# Altium PCB RV901-cnc-flipped.PcbDoc (part 1 of 4) (continued)
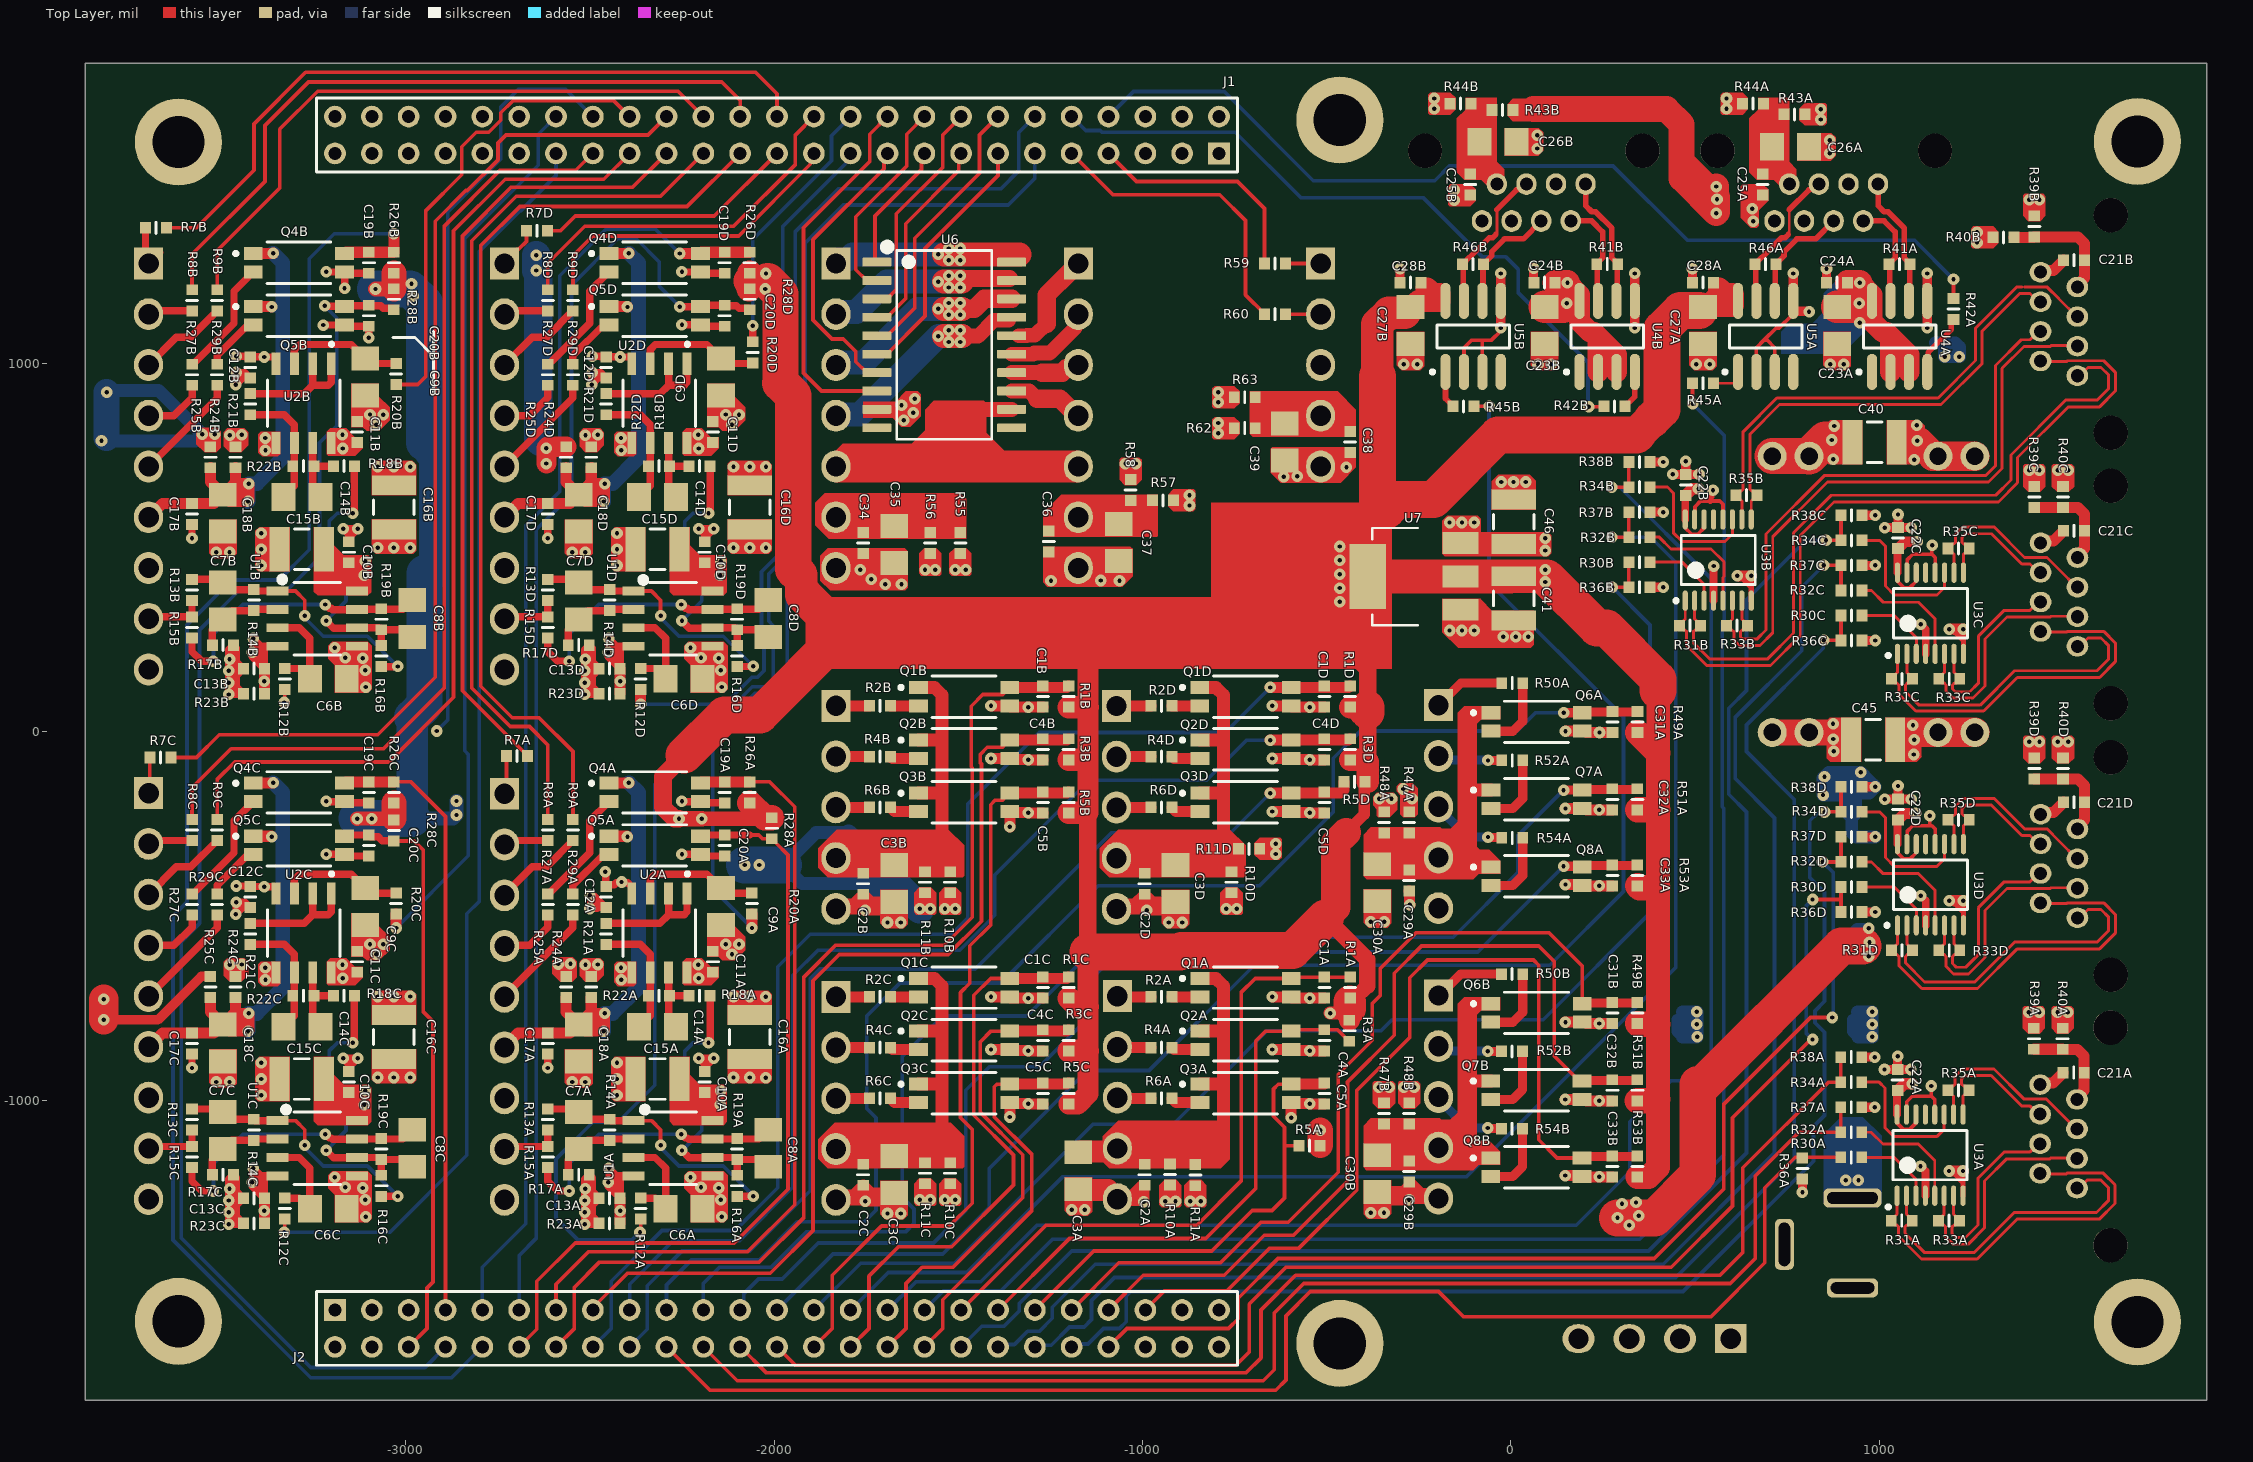
[diagram p0: Top Layer view]
## Design rules (kind name [scope] priority, off if disabled: settings) (continued)
24 further rules are at their usual default settings.

## Classes and differential pairs
component class GPI_2: C29B C30B C31B C32B C33B P5B Q6B Q7B Q8B R47B R48B R49B R50B R51B R52B R53B R54B
component class ENDSTOP_Z: C1D C2D C3D C4D C5D P3D Q1D Q2D Q3D R1D R2D R3D R4D R5D R6D R10D R11D
channel class Serial: SERIAL_1 SERIAL_2
channel class GPI: GPI_1 GPI_2
channel class Endstop: ENDSTOP_A ENDSTOP_X ENDSTOP_Y ENDSTOP_Z
channel class Encoder: ENC_A ENC_X ENC_Y ENC_Z
channel class Axis: AXIS_A AXIS_X AXIS_Y AXIS_Z
net class D100: RXDA_N RXDA_P RXDB_N RXDB_P TXDA_N TXDA_P TXDB_N TXDB_P
component class SERIAL_2: C23B C24B C25B C26B C27B C28B J4B R41B R42B R43B R44B R45B R46B U4B U5B
component class SERIAL_1: C23A C24A C25A C26A C27A C28A J4A R41A R42A R43A R44A R45A R46A U4A U5A
component class POWER: C40 C41 C42 C43 C44 C45 C46 MOD1 P1 P9 U7
component class GPO: C34 C35 C36 C37 C38 C39 P6 P7 P8 R55 R56 R57 R58 R59 R60 R62 R63 U6
component class GPI_1: C29A C30A C31A C32A C33A P5A Q6A Q7A Q8A R47A R48A R49A R50A R51A R52A R53A R54A
component class ENDSTOP_Y: C1C C2C C3C C4C C5C P3C Q1C Q2C Q3C R1C R2C R3C R4C R5C R6C R10C R11C
component class ENDSTOP_X: C1B C2B C3B C4B C5B P3B Q1B Q2B Q3B R1B R2B R3B R4B R5B R6B R10B R11B
component class ENDSTOP_A: C1A C2A C3A C4A C5A P3A Q1A Q2A Q3A R1A R2A R3A R4A R5A R6A R10A R11A
component class ENC_X: C21B C22B J3B R30B R31B R32B R33B R34B R35B R36B R37B R38B R39B R40B U3B
component class ENC_Y: C21C C22C J3C R30C R31C R32C R33C R34C R35C R36C R37C R38C R39C R40C U3C
component class ENC_Z: C21D C22D J3D R30D R31D R32D R33D R34D R35D R36D R37D R38D R39D R40D U3D
component class ENC_A: C21A C22A J3A R30A R31A R32A R33A R34A R35A R36A R37A R38A R39A R40A U3A
component class AXIS_Y: C6C C7C C8C C9C C10C C11C C12C C13C C14C C15C C16C C17C C18C C19C C20C P4C Q4C Q5C R7C R8C R9C R12C R13C R14C R15C R16C R17C R18C R19C R20C R21C R22C R23C R24C R25C R26C R27C R28C R29C U1C U2C
component class AXIS_X: C6B C7B C8B C9B C10B C11B C12B C13B C14B C15B C16B C17B C18B C19B C20B P4B Q4B Q5B R7B R8B R9B R12B R13B R14B R15B R16B R17B R18B R19B R20B R21B R22B R23B R24B R25B R26B R27B R28B R29B U1B U2B
component class AXIS_A: C6A C7A C8A C9A C10A C11A C12A C13A C14A C15A C16A C17A C18A C19A C20A P4A Q4A Q5A R7A R8A R9A R12A R13A R14A R15A R16A R17A R18A R19A R20A R21A R22A R23A R24A R25A R26A R27A R28A R29A U1A U2A
component class AXIS_Z: C6D C7D C8D C9D C10D C11D C12D C13D C14D C15D C16D C17D C18D C19D C20D P4D Q4D Q5D R7D R8D R9D R12D R13D R14D R15D R16D R17D R18D R19D R20D R21D R22D R23D R24D R25D R26D R27D R28D R29D U1D U2D
component class RV901-cnc: J1 J2
differential pair ENC_3D: +ENC_3B_P -ENC_3B_N
differential pair ENC_3C: +ENC_3C_P -ENC_3C_N
differential pair ENC_3B: +ENC_3D_P -ENC_3D_N
differential pair ENC_3A: +ENC_3A_P -ENC_3A_N
differential pair ENC_2D: +ENC_2B_P -ENC_2B_N
differential pair ENC_2C: +ENC_2C_P -ENC_2C_N
differential pair ENC_2B: +ENC_2D_P -ENC_2D_N
differential pair ENC_2A: +ENC_2A_P -ENC_2A_N
differential pair ENC_1D: +ENC_1B_P -ENC_1B_N
differential pair ENC_1C: +ENC_1C_P -ENC_1C_N
differential pair ENC_1B: +ENC_1D_P -ENC_1D_N
differential pair ENC_1A: +ENC_1A_P -ENC_1A_N
differential pair TXDB: +TXDA_P -TXDA_N
differential pair TXDA: +TXDB_P -TXDB_N
differential pair RXDB: +RXDA_P -RXDA_N
differential pair RXDA: +RXDB_P -RXDB_N

## Components (designator, comment, footprint, x,y, rotation, side; value= is the part's Value field where it differs from the comment)
C1A "Ceramic X7R" C_0603_1608 -506.06,-694.82 r270 top value=100nF (schematic designator C1)
C1B "Ceramic X7R" C_0603_1608 -1270.09,95.18 r270 top value=100nF (schematic designator C1)
C1C "Ceramic X7R" C_0603_1608 -1270.09,-694.82 r270 top value=100nF (schematic designator C1)
C1D "Ceramic X7R" C_0603_1608 -506.09,95.18 r270 top value=100nF (schematic designator C1)
C2A "Ceramic X7R" C_0603_1608 -994.06,-1202.82 r270 top value=100nF (schematic designator C2)
C2B "Ceramic X7R" C_0603_1608 -1758.09,-412.82 r270 top value=100nF (schematic designator C2)
C2C "Ceramic X7R" C_0603_1608 -1758.09,-1202.82 r270 top value=100nF (schematic designator C2)
C2D "Ceramic X7R" C_0603_1608 -994.09,-412.82 r270 top value=100nF (schematic designator C2)
C3A "Ceramic X7R" C_1206_3216 -1174.06,-1192 r270 top value=10uF (schematic designator C3)
C3B "Ceramic X7R" C_1206_3216 -1674.09,-412 r270 top value=10uF (schematic designator C3)
C3C "Ceramic X7R" C_1206_3216 -1674.09,-1202 r270 top value=10uF (schematic designator C3)
C3D "Ceramic X7R" C_1206_3216 -910.09,-412 r270 top value=10uF (schematic designator C3)
C4A "Ceramic X7R" C_0603_1608 -506.06,-837.82 r270 top value=100nF (schematic designator C4)
C4B "Ceramic X7R" C_0603_1608 -1270.09,-47.82 r270 top value=100nF (schematic designator C4)
C4C "Ceramic X7R" C_0603_1608 -1270.09,-837.82 r270 top value=100nF (schematic designator C4)
C4D "Ceramic X7R" C_0603_1608 -506.09,-47.82 r270 top value=100nF (schematic designator C4)
C5A "Ceramic X7R" C_0603_1608 -506.06,-981.82 r270 top value=100nF (schematic designator C5)
C5B "Ceramic X7R" C_0603_1608 -1270.09,-191.82 r270 top value=100nF (schematic designator C5)
C5C "Ceramic X7R" C_0603_1608 -1270.09,-981.82 r270 top value=100nF (schematic designator C5)
C5D "Ceramic X7R" C_0603_1608 -506.09,-191.82 r270 top value=100nF (schematic designator C5)
C6A "Film Capacitor" C_1206_3216 -2244.31,-1294.82 r0 top value=15nF (schematic designator C6)
C6B "Film Capacitor" C_1206_3216 -3210.28,143.18 r0 top value=15nF (schematic designator C6)
C6C "Film Capacitor" C_1206_3216 -3210.28,-1294.82 r0 top value=15nF (schematic designator C6)
C6D "Film Capacitor" C_1206_3216 -2244.31,143.18 r0 top value=15nF (schematic designator C6)
C7A "Film Capacitor" C_1206_3216 -2530.31,-1082.82 r270 top value=15nF (schematic designator C7)
C7B "Film Capacitor" C_1206_3216 -3496.28,355.18 r270 top value=15nF (schematic designator C7)
C7C "Film Capacitor" C_1206_3216 -3496.28,-1082.82 r270 top value=15nF (schematic designator C7)
C7D "Film Capacitor" C_1206_3216 -2530.31,355.18 r270 top value=15nF (schematic designator C7)
C8A "Film Capacitor" C_1206_3216 -2016.31,-1130.82 r270 top value=15nF (schematic designator C8)
C8B "Film Capacitor" C_1206_3216 -2982.28,307.18 r270 top value=15nF (schematic designator C8)
C8C "Film Capacitor" C_1206_3216 -2982.28,-1130.82 r270 top value=15nF (schematic designator C8)
C8D "Film Capacitor" C_1206_3216 -2016.31,307.18 r270 top value=15nF (schematic designator C8)
C9A "Film Capacitor" C_1206_3216 -2144.09,-475.02 r270 top value=15nF (schematic designator C9)
C9B "Film Capacitor" C_1206_3216 -3110.06,962.98 r270 top value=15nF (schematic designator C9)
C9C "Film Capacitor" C_1206_3216 -3110.06,-475.02 r270 top value=15nF (schematic designator C9)
C9D "Film Capacitor" C_1206_3216 -2144.09,962.98 r270 top value=15nF (schematic designator C9)
C10A "Ceramic X7R" C_0603_1608 -2188.31,-950.82 r90 top value=100nF (schematic designator C10)
C10B "Ceramic X7R" C_0603_1608 -3154.28,487.18 r90 top value=100nF (schematic designator C10)
C10C "Ceramic X7R" C_0603_1608 -3154.28,-950.82 r90 top value=100nF (schematic designator C10)
C10D "Ceramic X7R" C_0603_1608 -2188.31,487.18 r90 top value=100nF (schematic designator C10)
C11A "Ceramic X7R" C_0603_1608 -2166.09,-624.6 r90 top value=100nF (schematic designator C11)
C11B "Ceramic X7R" C_0603_1608 -3132.06,813.4 r90 top value=100nF (schematic designator C11)
C11C "Ceramic X7R" C_0603_1608 -3132.06,-624.6 r90 top value=100nF (schematic designator C11)
C11D "Ceramic X7R" C_0603_1608 -2166.09,813.4 r90 top value=100nF (schematic designator C11)
C12A "Ceramic X7R" C_0603_1608 -2456.09,-448.82 r270 top value=100nF (schematic designator C12)
C12B "Ceramic X7R" C_0603_1608 -3422.06,989.18 r270 top value=100nF (schematic designator C12)
C12C "Ceramic X7R" C_0603_1608 -3422.06,-448.82 r270 top value=100nF (schematic designator C12)
C12D "Ceramic X7R" C_0603_1608 -2456.09,989.18 r270 top value=100nF (schematic designator C12)
C13A "Ceramic X7R" C_0603_1608 -2446.31,-1266.82 r180 top value=100nF (schematic designator C13)
C13B "Ceramic X7R" C_0603_1608 -3412.28,171.18 r180 top value=100nF (schematic designator C13)
C13C "Ceramic X7R" C_0603_1608 -3412.28,-1266.82 r180 top value=100nF (schematic designator C13)
C13D "Ceramic X7R" C_0603_1608 -2446.31,171.18 r180 top value=100nF (schematic designator C13)
C14A "Film Capacitor" C_1206_3216 -2316.09,-800.82 r180 top value=15nF (schematic designator C14)
C14B "Film Capacitor" C_1206_3216 -3282.06,637.18 r180 top value=15nF (schematic designator C14)
C14C "Film Capacitor" C_1206_3216 -3282.06,-800.82 r180 top value=15nF (schematic designator C14)
C14D "Film Capacitor" C_1206_3216 -2316.09,637.18 r180 top value=15nF (schematic designator C14)
C15A "Ceramic X7R" C_1210_3225 -2316.31,-942.82 r180 top value=22uF (schematic designator C15)
C15B "Ceramic X7R" C_1210_3225 -3282.28,495.18 r180 top value=22uF (schematic designator C15)
C15C "Ceramic X7R" C_1210_3225 -3282.28,-942.82 r180 top value=22uF (schematic designator C15)
C15D "Ceramic X7R" C_1210_3225 -2316.31,495.18 r180 top value=22uF (schematic designator C15)
C16A "Ceramic X7R" C_1210_3225 -2066.09,-828.82 r270 top value=22uF (schematic designator C16)
C16B "Ceramic X7R" C_1210_3225 -3032.06,609.18 r270 top value=22uF (schematic designator C16)
C16C "Ceramic X7R" C_1210_3225 -3032.06,-828.82 r270 top value=22uF (schematic designator C16)
C16D "Ceramic X7R" C_1210_3225 -2066.09,609.18 r270 top value=22uF (schematic designator C16)
C17A "Ceramic X7R" C_0603_1608 -2614.31,-846.82 r270 top value=100nF (schematic designator C17)
C17B "Ceramic X7R" C_0603_1608 -3580.28,591.18 r270 top value=100nF (schematic designator C17)
C17C "Ceramic X7R" C_0603_1608 -3580.28,-846.82 r270 top value=100nF (schematic designator C17)
C17D "Ceramic X7R" C_0603_1608 -2614.31,591.18 r270 top value=100nF (schematic designator C17)
C18A "Ceramic X7R" C_1206_3216 -2530.31,-844.82 r270 top value=10uF (schematic designator C18)
C18B "Ceramic X7R" C_1206_3216 -3496.28,593.18 r270 top value=10uF (schematic designator C18)
C18C "Ceramic X7R" C_1206_3216 -3496.28,-844.82 r270 top value=10uF (schematic designator C18)
C18D "Ceramic X7R" C_1206_3216 -2530.31,593.18 r270 top value=10uF (schematic designator C18)
C19A "Ceramic X7R" C_0603_1608 -2134.09,-164.82 r270 top value=100nF (schematic designator C19)
C19B "Ceramic X7R" C_0603_1608 -3100.06,1273.18 r270 top value=100nF (schematic designator C19)
C19C "Ceramic X7R" C_0603_1608 -3100.06,-164.82 r270 top value=100nF (schematic designator C19)
C19D "Ceramic X7R" C_0603_1608 -2134.09,1273.18 r270 top value=100nF (schematic designator C19)
C20A "Ceramic X7R" C_0603_1608 -2134.09,-308.82 r270 top value=100nF (schematic designator C20)
C20B "Ceramic X7R" C_0603_1608 -3100.06,1129.18 r270 top value=100nF (schematic designator C20)
C20C "Ceramic X7R" C_0603_1608 -3100.06,-308.82 r270 top value=100nF (schematic designator C20)
C20D "Ceramic X7R" C_0603_1608 -2134.09,1129.18 r270 top value=100nF (schematic designator C20)
C21A "Ceramic X7R" C_0603_1608 1528.39,-925.5 r180 top value=100nF (schematic designator C21)
C21B "Ceramic X7R" C_0603_1608 1529.35,1280.13 r180 top value=100nF (schematic designator C21)
C21C "Ceramic X7R" C_0603_1608 1529.39,545.5 r180 top value=100nF (schematic designator C21)
C21D "Ceramic X7R" C_0603_1608 1529.39,-191.5 r180 top value=100nF (schematic designator C21)
C22A "Ceramic X7R" C_0603_1608 1050.39,-945.5 r90 top value=100nF (schematic designator C22)
C22B "Ceramic X7R" C_0603_1608 475.35,670.13 r90 top value=100nF (schematic designator C22)
C22C "Ceramic X7R" C_0603_1608 1051.39,525.5 r90 top value=100nF (schematic designator C22)
C22D "Ceramic X7R" C_0603_1608 1051.39,-211.5 r90 top value=100nF (schematic designator C22)
C23A "Ceramic X7R" C_1206_3216 885.91,1103.18 r270 top value=10uF (schematic designator C23)
C23B "Ceramic X7R" C_1206_3216 91.91,1103.18 r270 top value=10uF (schematic designator C23)
C24A "Ceramic X7R" C_0603_1608 885.91,1219.18 r180 top value=100nF (schematic designator C24)
C24B "Ceramic X7R" C_0603_1608 91.91,1219.18 r180 top value=100nF (schematic designator C24)
C25A "Ceramic X7R" C_0603_1608 683.91,1485.18 r270 top value=100nF (schematic designator C25)
C25B "Ceramic X7R" C_0603_1608 -110.09,1485.18 r270 top value=100nF (schematic designator C25)
C26A "Ceramic X7R" C_1206_3216 759.94,1588 r0 top value=10uF (schematic designator C26)
C26B "Ceramic X7R" C_1206_3216 -34.09,1601.18 r0 top value=10uF (schematic designator C26)
C27A "Ceramic X7R" C_1206_3216 521.91,1103.18 r270 top value=10uF (schematic designator C27)
C27B "Ceramic X7R" C_1206_3216 -272.09,1103.18 r270 top value=10uF (schematic designator C27)
C28A "Ceramic X7R" C_0603_1608 521.91,1219.18 r180 top value=100nF (schematic designator C28)
C28B "Ceramic X7R" C_0603_1608 -272.09,1219.18 r180 top value=100nF (schematic designator C28)
C29A "Ceramic X7R" C_0603_1608 -275.81,-404 r270 top value=100nF (schematic designator C29)
C29B "Ceramic X7R" C_0603_1608 -276.06,-1194 r270 top value=100nF (schematic designator C29)
C30A "Ceramic X7R" C_1206_3216 -361.81,-410 r270 top value=10uF (schematic designator C30)
C30B "Ceramic X7R" C_1206_3216 -362.06,-1200 r270 top value=10uF (schematic designator C30)
C31A "Ceramic X7R" C_0603_1608 276.19,26.46 r270 top value=100nF (schematic designator C31)
C31B "Ceramic X7R" C_0603_1608 275.94,-763.54 r270 top value=100nF (schematic designator C31)
C32A "Ceramic X7R" C_0603_1608 275.97,-183.54 r270 top value=100nF (schematic designator C32)
C32B "Ceramic X7R" C_0603_1608 275.72,-973.54 r270 top value=100nF (schematic designator C32)
C33A "Ceramic X7R" C_0603_1608 275.97,-390 r270 top value=100nF (schematic designator C33)
C33B "Ceramic X7R" C_0603_1608 275.72,-1180 r270 top value=100nF (schematic designator C33)
C34 "Ceramic X7R" C_0603_1608 -1758.06,512 r270 top value=100nF
C35 "Ceramic X7R" C_1206_3216 -1674.06,508 r270 top value=10uF
C36 "Ceramic X7R" C_0603_1608 -1254.06,516 r270 top value=100nF
C37 "Ceramic X7R" C_1206_3216 -1064.06,514 r270 top value=10uF
C38 "Ceramic X7R" C_0603_1608 -436.06,786.54 r270 top value=100nF
C39 "Ceramic X7R" C_1206_3216 -614.06,786 r270 top value=10uF
C40 "Ceramic X7R" C_1210_3225 987.94,786 r0 top value=22uF
C41 "Ceramic X7R" C_1210_3225 7.94,362 r270 top value=22uF
C42 "Electrolytic Capacitor" CE_D_10x10_SMD 925.94,-400 r90 bottom value=100uF
C43 "Electrolytic Capacitor" CE_D_10x10_SMD 925.94,-961 r90 bottom value=100uF
C44 "Electrolytic Capacitor" CE_D_10x10_SMD 984.94,1056 r0 bottom value=100uF
C45 "Ceramic X7R" C_1210_3225 983.94,-22 r0 top value=22uF
C46 "Ceramic X7R" C_1210_3225 7.94,570 r90 top value=22uF
J1 "Goldpin female straight" J_HEADER_2x25_2.54_VERTICAL -1992.06,1620.08 r180 top locked value=DS1023-2*25S21
J2 "Goldpin female straight" J_HEADER_2x25_2.54_VERTICAL -1992.06,-1620.08 r0 top locked value=DS1023-2*25S21
J3A "Modular Connector, Modular Jack, 1 x 1 (Port), 8P8C, Cat3" J_RJ45_MJ3225-88-0 1582.66,-1098.72 r270 bottom value=MJ3225-88-0 (schematic designator J3)
J3B "Modular Connector, Modular Jack, 1 x 1 (Port), 8P8C, Cat3" J_RJ45_MJ3225-88-0 1583.63,1106.91 r270 bottom value=MJ3225-88-0 (schematic designator J3)
J3C "Modular Connector, Modular Jack, 1 x 1 (Port), 8P8C, Cat3" J_RJ45_MJ3225-88-0 1583.66,372.28 r270 bottom value=MJ3225-88-0 (schematic designator J3)
J3D "Modular Connector, Modular Jack, 1 x 1 (Port), 8P8C, Cat3" J_RJ45_MJ3225-88-0 1583.66,-364.72 r270 bottom value=MJ3225-88-0 (schematic designator J3)
J4A "Modular Connector, Modular Jack, 1 x 1 (Port), 8P8C, Cat3" J_RJ45_MJ3225-88-0 856.63,1531.91 r0 bottom value=MJ3225-88-0 (schematic designator J4)
J4B "Modular Connector, Modular Jack, 1 x 1 (Port), 8P8C, Cat3" J_RJ45_MJ3225-88-0 62.63,1531.91 r0 bottom value=MJ3225-88-0 (schematic designator J4)
MOD1 "Low cost, Aliexpress-ready DC-DC buck converter using MP1584" MOD_BUCK_MP1584 984.94,373 r90 bottom value=-
P1 "DC JACK" P_KLDX-0202-A 927.94,-1510 r270 bottom value=KLDX-0202-A
P3A "5-pin 3.5mm terminal block" P_15EDGVC-3.5-05P -1068.06,-718 r270 bottom value=15EDGVC-3.5-05P-14 (schematic designator P3)
P3B "5-pin 3.5mm terminal block" P_15EDGVC-3.5-05P -1832.09,70.28 r270 bottom value=15EDGVC-3.5-05P-14 (schematic designator P3)
P3C "5-pin 3.5mm terminal block" P_15EDGVC-3.5-05P -1832.09,-719.72 r270 bottom value=15EDGVC-3.5-05P-14 (schematic designator P3)
P3D "5-pin 3.5mm terminal block" P_15EDGVC-3.5-05P -1070.06,70 r270 bottom value=15EDGVC-3.5-05P-14 (schematic designator P3)
P4A "9-pin 3.5mm terminal block" P_15EDGVC-3.5-09P -2732.09,-168.54 r270 bottom value=15EDGVC-3.5-09P-14 (schematic designator P4)
P4B "9-pin 3.5mm terminal block" P_15EDGVC-3.5-09P -3698.06,1271.28 r270 bottom value=15EDGVC-3.5-09P-14 (schematic designator P4)
P4C "9-pin 3.5mm terminal block" P_15EDGVC-3.5-09P -3698.06,-166.72 r270 bottom value=15EDGVC-3.5-09P-14 (schematic designator P4)
P4D "9-pin 3.5mm terminal block" P_15EDGVC-3.5-09P -2732.09,1271.28 r270 bottom value=15EDGVC-3.5-09P-14 (schematic designator P4)
P5A "5-pin 3.5mm terminal block" P_15EDGVC-3.5-05P -196.06,72 r270 bottom value=15EDGVC-3.5-05P-14 (schematic designator P5)
P5B "5-pin 3.5mm terminal block" P_15EDGVC-3.5-05P -196.06,-716 r270 bottom value=15EDGVC-3.5-05P-14 (schematic designator P5)
P6 "7-pin 3.5mm terminal block" P_15EDGVC-3.5-07P -1832.06,1271.27 r270 bottom value=15EDGVC-3.5-07P-14
P7 "7-pin 3.5mm terminal block" P_15EDGVC-3.5-07P -1174.06,1271.27 r270 bottom value=15EDGVC-3.5-07P-14
P8 "5-pin 3.5mm terminal block" P_15EDGVC-3.5-05P -516.06,1271.27 r270 bottom value=15EDGVC-3.5-05P-14
P9 "4-pin 3.5mm terminal block" P_15EDGVC-3.5-04P-14 597.32,-1648 r180 bottom value=15EDGVC-3.5-04P-14
Q1A "TCMT1106" FP-TCMT1106-MFG -720.06,-694.82 r0 top (schematic designator Q1)
Q1B "TCMT1106" FP-TCMT1106-MFG -1484.09,95.18 r0 top (schematic designator Q1)
Q1C "TCMT1106" FP-TCMT1106-MFG -1484.09,-694.82 r0 top (schematic designator Q1)
Q1D "TCMT1106" FP-TCMT1106-MFG -720.09,95.18 r0 top (schematic designator Q1)
Q2A "TCMT1106" FP-TCMT1106-MFG -720.05,-837.82 r0 top (schematic designator Q2)
Q2B "TCMT1106" FP-TCMT1106-MFG -1484.08,-47.82 r0 top (schematic designator Q2)
Q2C "TCMT1106" FP-TCMT1106-MFG -1484.08,-837.82 r0 top (schematic designator Q2)
Q2D "TCMT1106" FP-TCMT1106-MFG -720.08,-47.82 r0 top (schematic designator Q2)
Q3A "TCMT1106" FP-TCMT1106-MFG -720.05,-981.82 r0 top (schematic designator Q3)
Q3B "TCMT1106" FP-TCMT1106-MFG -1484.08,-191.82 r0 top (schematic designator Q3)
Q3C "TCMT1106" FP-TCMT1106-MFG -1484.08,-981.82 r0 top (schematic designator Q3)
Q3D "TCMT1106" FP-TCMT1106-MFG -720.08,-191.82 r0 top (schematic designator Q3)
Q4A "TCMT1106" FP-TCMT1106-MFG -2324.09,-164.82 r0 top (schematic designator Q4)
Q4B "TCMT1106" FP-TCMT1106-MFG -3290.06,1273.18 r0 top (schematic designator Q4)
Q4C "TCMT1106" FP-TCMT1106-MFG -3290.06,-164.82 r0 top (schematic designator Q4)
Q4D "TCMT1106" FP-TCMT1106-MFG -2324.09,1273.18 r0 top (schematic designator Q4)
Q5A "TCMT1106" FP-TCMT1106-MFG -2324.09,-308.82 r0 top (schematic designator Q5)
Q5B "TCMT1106" FP-TCMT1106-MFG -3290.06,1129.18 r0 top (schematic designator Q5)
Q5C "TCMT1106" FP-TCMT1106-MFG -3290.06,-308.82 r0 top (schematic designator Q5)
Q5D "TCMT1106" FP-TCMT1106-MFG -2324.09,1129.18 r0 top (schematic designator Q5)
Q6A "TCMT1106" FP-TCMT1106-MFG 70.19,26.46 r0 top (schematic designator Q6)
Q6B "TCMT1106" FP-TCMT1106-MFG 69.94,-763.54 r0 top (schematic designator Q6)
Q7A "TCMT1106" FP-TCMT1106-MFG 69.97,-183.54 r0 top (schematic designator Q7)
Q7B "TCMT1106" FP-TCMT1106-MFG 69.72,-973.54 r0 top (schematic designator Q7)
Q8A "TCMT1106" FP-TCMT1106-MFG 69.97,-392.54 r0 top (schematic designator Q8)
Q8B "TCMT1106" FP-TCMT1106-MFG 69.72,-1182.54 r0 top (schematic designator Q8)
R1A "Resistor" R_0603_1608 -436.06,-694.82 r270 top value=10k (schematic designator R1)
R1B "Resistor" R_0603_1608 -1200.09,95.18 r270 top value=10k (schematic designator R1)
R1C "Resistor" R_0603_1608 -1200.09,-694.82 r270 top value=10k (schematic designator R1)
R1D "Resistor" R_0603_1608 -436.09,95.18 r270 top value=10k (schematic designator R1)
R2A "Resistor" R_0603_1608 -948.06,-719.72 r0 top value=1k (schematic designator R2)
R2B "Resistor" R_0603_1608 -1712.09,70.28 r0 top value=1k (schematic designator R2)
R2C "Resistor" R_0603_1608 -1712.09,-719.72 r0 top value=1k (schematic designator R2)
R2D "Resistor" R_0603_1608 -948.09,70.28 r0 top value=1k (schematic designator R2)
R3A "Resistor" R_0603_1608 -438.06,-812 r90 top value=10k (schematic designator R3)
R3B "Resistor" R_0603_1608 -1200.09,-47.82 r270 top value=10k (schematic designator R3)
R3C "Resistor" R_0603_1608 -1200.09,-837.82 r270 top value=10k (schematic designator R3)
R3D "Resistor" R_0603_1608 -436.09,-47.82 r270 top value=10k (schematic designator R3)
R4A "Resistor" R_0603_1608 -948.06,-857.51 r0 top value=1k (schematic designator R4)
R4B "Resistor" R_0603_1608 -1712.09,-67.51 r0 top value=1k (schematic designator R4)
R4C "Resistor" R_0603_1608 -1712.09,-857.51 r0 top value=1k (schematic designator R4)
R4D "Resistor" R_0603_1608 -948.09,-67.51 r0 top value=1k (schematic designator R4)
R5A "Resistor" R_0603_1608 -546.06,-1124 r0 top value=10k (schematic designator R5)
R5B "Resistor" R_0603_1608 -1200.09,-191.82 r270 top value=10k (schematic designator R5)
R5C "Resistor" R_0603_1608 -1200.09,-981.82 r270 top value=10k (schematic designator R5)
R5D "Resistor" R_0603_1608 -424.06,-136 r0 top value=10k (schematic designator R5)
R6A "Resistor" R_0603_1608 -948.06,-995.31 r0 top value=1k (schematic designator R6)
R6B "Resistor" R_0603_1608 -1712.09,-205.31 r0 top value=1k (schematic designator R6)
R6C "Resistor" R_0603_1608 -1712.09,-995.31 r0 top value=1k (schematic designator R6)
R6D "Resistor" R_0603_1608 -948.09,-205.31 r0 top value=1k (schematic designator R6)
R7A "Resistor" R_0603_1608 -2698.06,-66 r180 top value=0R (schematic designator R7)
R7B "Resistor" R_0603_1608 -3678.06,1368 r180 top value=0R (schematic designator R7)
R7C "Resistor" R_0603_1608 -3666.06,-70 r180 top value=0R (schematic designator R7)
R7D "Resistor" R_0603_1608 -2643.79,1360 r180 top value=0R (schematic designator R7)
R8A "Resistor" R_0603_1608 -2614.09,-266.82 r270 top value=0R (schematic designator R8)
R8B "Resistor" R_0603_1608 -3580.06,1171.18 r270 top value=0R (schematic designator R8)
R8C "Resistor" R_0603_1608 -3580.06,-266.82 r270 top value=0R (schematic designator R8)
R8D "Resistor" R_0603_1608 -2614.09,1171.18 r270 top value=0R (schematic designator R8)
R9A "Resistor" R_0603_1608 -2546.09,-266.82 r270 top value=0R (schematic designator R9)
R9B "Resistor" R_0603_1608 -3512.06,1171.18 r270 top value=0R (schematic designator R9)
R9C "Resistor" R_0603_1608 -3512.06,-266.82 r270 top value=0R (schematic designator R9)
R9D "Resistor" R_0603_1608 -2546.09,1171.18 r270 top value=0R (schematic designator R9)
R10A "Resistor" R_0603_1608 -925.03,-1202.52 r90 top value=0R (schematic designator R10)
R10B "Resistor" R_0603_1608 -1522.09,-408.82 r90 top value=0R (schematic designator R10)
R10C "Resistor" R_0603_1608 -1522.09,-1198.82 r90 top value=0R (schematic designator R10)
R10D "Resistor" R_0603_1608 -758.09,-408.82 r90 top value=0R (schematic designator R10)
R11A "Resistor" R_0603_1608 -856.06,-1204 r270 top value=0R (schematic designator R11)
R11B "Resistor" R_0603_1608 -1590.09,-408.82 r270 top value=0R (schematic designator R11)
R11C "Resistor" R_0603_1608 -1590.09,-1198.82 r270 top value=0R (schematic designator R11)
R11D "Resistor" R_0603_1608 -710.06,-318 r0 top value=0R (schematic designator R11)
R12A "Resistor" R_0603_1608 -2362.31,-1294.82 r90 top value=10k (schematic designator R12)
R12B "Resistor" R_0603_1608 -3328.28,143.18 r90 top value=10k (schematic designator R12)
R12C "Resistor" R_0603_1608 -3328.28,-1294.82 r90 top value=10k (schematic designator R12)
R12D "Resistor" R_0603_1608 -2362.31,143.18 r90 top value=10k (schematic designator R12)
R13A "Resistor" R_0603_1608 -2614.31,-1052.82 r270 top value=0R (schematic designator R13)
R13B "Resistor" R_0603_1608 -3580.28,385.18 r270 top value=0R (schematic designator R13)
R13C "Resistor" R_0603_1608 -3580.28,-1052.82 r270 top value=0R (schematic designator R13)
R13D "Resistor" R_0603_1608 -2614.31,385.18 r270 top value=0R (schematic designator R13)
R14A "Resistor" R_0603_1608 -2446.31,-1080.82 r270 top value=10k (schematic designator R14)
R14B "Resistor" R_0603_1608 -3412.28,357.18 r270 top value=10k (schematic designator R14)
R14C "Resistor" R_0603_1608 -3412.28,-1080.82 r270 top value=10k (schematic designator R14)
R14D "Resistor" R_0603_1608 -2446.31,357.18 r270 top value=10k (schematic designator R14)
R15A "Resistor" R_0603_1608 -2614.31,-1154.82 r90 top value=0R (schematic designator R15)
R15B "Resistor" R_0603_1608 -3580.28,283.18 r90 top value=0R (schematic designator R15)
R15C "Resistor" R_0603_1608 -3580.28,-1154.82 r90 top value=0R (schematic designator R15)
R15D "Resistor" R_0603_1608 -2614.31,283.18 r90 top value=0R (schematic designator R15)
R16A "Resistor" R_0603_1608 -2100.31,-1232.82 r90 top value=10k (schematic designator R16)
R16B "Resistor" R_0603_1608 -3066.28,205.18 r90 top value=10k (schematic designator R16)
R16C "Resistor" R_0603_1608 -3066.28,-1232.82 r90 top value=10k (schematic designator R16)
R16D "Resistor" R_0603_1608 -2100.31,205.18 r90 top value=10k (schematic designator R16)
R17A "Resistor" R_0603_1608 -2530.31,-1202.82 r0 top value=10k (schematic designator R17)
R17B "Resistor" R_0603_1608 -3496.28,235.18 r0 top value=10k (schematic designator R17)
R17C "Resistor" R_0603_1608 -3496.28,-1202.82 r0 top value=10k (schematic designator R17)
R17D "Resistor" R_0603_1608 -2530.31,235.18 r0 top value=10k (schematic designator R17)
R18A "Resistor" R_0603_1608 -2202.09,-716.82 r0 top value=10k (schematic designator R18)
R18B "Resistor" R_0603_1608 -3168.06,721.18 r0 top value=10k (schematic designator R18)
R18C "Resistor" R_0603_1608 -3168.06,-716.82 r0 top value=10k (schematic designator R18)
R18D "Resistor" R_0603_1608 -2202.09,721.18 r0 top value=10k (schematic designator R18)
R19A "Resistor" R_0603_1608 -2100.31,-1132.82 r90 top value=10k (schematic designator R19)
R19B "Resistor" R_0603_1608 -3066.28,305.18 r90 top value=10k (schematic designator R19)
R19C "Resistor" R_0603_1608 -3066.28,-1132.82 r90 top value=10k (schematic designator R19)
R19D "Resistor" R_0603_1608 -2100.31,305.18 r90 top value=10k (schematic designator R19)
R20A "Resistor" R_0603_1608 -2060.09,-466.82 r90 top value=10k (schematic designator R20)
R20B "Resistor" R_0603_1608 -3026.06,971.18 r90 top value=10k (schematic designator R20)
R20C "Resistor" R_0603_1608 -3026.06,-466.82 r90 top value=10k (schematic designator R20)
R20D "Resistor" R_0603_1608 -2058.06,1030 r270 top value=10k (schematic designator R20)
R21A "Resistor" R_0603_1608 -2456.09,-548.82 r270 top value=10k (schematic designator R21)
R21B "Resistor" R_0603_1608 -3422.06,889.18 r270 top value=10k (schematic designator R21)
R21C "Resistor" R_0603_1608 -3422.06,-548.82 r270 top value=10k (schematic designator R21)
R21D "Resistor" R_0603_1608 -2456.09,889.18 r270 top value=10k (schematic designator R21)
R22A "Resistor" R_0603_1608 -2312.09,-716.82 r0 top value=20k (schematic designator R22)
R22B "Resistor" R_0603_1608 -3278.06,721.18 r0 top value=20k (schematic designator R22)
R22C "Resistor" R_0603_1608 -3278.06,-716.82 r0 top value=20k (schematic designator R22)
R22D "Resistor" R_0603_1608 -2312.09,721.18 r0 top value=20k (schematic designator R22)
R23A "Resistor" R_0603_1608 -2446.31,-1334.82 r180 top value=0R (schematic designator R23)
R23B "Resistor" R_0603_1608 -3412.28,103.18 r180 top value=0R (schematic designator R23)
R23C "Resistor" R_0603_1608 -3412.28,-1334.82 r180 top value=0R (schematic designator R23)
R23D "Resistor" R_0603_1608 -2446.31,103.18 r180 top value=0R (schematic designator R23)
R24A "Resistor" R_0603_1608 -2496.31,-692.82 r270 top value=0R (schematic designator R24)
R24B "Resistor" R_0603_1608 -3462.28,745.18 r270 top value=0R (schematic designator R24)
R24C "Resistor" R_0603_1608 -3462.28,-692.82 r270 top value=0R (schematic designator R24)
R24D "Resistor" R_0603_1608 -2496.31,745.18 r270 top value=0R (schematic designator R24)
R25A "Resistor" R_0603_1608 -2564.31,-692.82 r90 top value=0R (schematic designator R25)
R25B "Resistor" R_0603_1608 -3530.28,745.18 r90 top value=0R (schematic designator R25)
R25C "Resistor" R_0603_1608 -3530.28,-692.82 r90 top value=0R (schematic designator R25)
R25D "Resistor" R_0603_1608 -2564.31,745.18 r90 top value=0R (schematic designator R25)
R26A "Resistor" R_0603_1608 -2066.09,-164.82 r270 top value=10k (schematic designator R26)
R26B "Resistor" R_0603_1608 -3032.06,1273.18 r270 top value=10k (schematic designator R26)
R26C "Resistor" R_0603_1608 -3032.06,-164.82 r270 top value=10k (schematic designator R26)
R26D "Resistor" R_0603_1608 -2066.09,1273.18 r270 top value=10k (schematic designator R26)
R27A "Resistor" R_0603_1608 -2614.09,-468.82 r90 top value=330R (schematic designator R27)
R27B "Resistor" R_0603_1608 -3580.06,969.18 r90 top value=330R (schematic designator R27)
R27C "Resistor" R_0603_1608 -3580.06,-468.82 r90 top value=330R (schematic designator R27)
R27D "Resistor" R_0603_1608 -2614.09,969.18 r90 top value=330R (schematic designator R27)
R28A "Resistor" R_0603_1608 -2006.06,-262 r90 top value=10k (schematic designator R28)
R28B "Resistor" R_0603_1608 -3032.06,1174 r90 top value=10k (schematic designator R28)
R28C "Resistor" R_0603_1608 -3032.06,-268 r90 top value=10k (schematic designator R28)
R28D "Resistor" R_0603_1608 -2066.06,1174 r90 top value=10k (schematic designator R28)
R29A "Resistor" R_0603_1608 -2546.09,-468.82 r90 top value=330R (schematic designator R29)
R29B "Resistor" R_0603_1608 -3512.06,969.18 r90 top value=330R (schematic designator R29)
R29C "Resistor" R_0603_1608 -3512.06,-468.82 r90 top value=330R (schematic designator R29)
R29D "Resistor" R_0603_1608 -2546.09,969.18 r90 top value=330R (schematic designator R29)
R30A "Resistor" R_0603_1608 924.35,-1155.5 r180 top value=1k (schematic designator R30)
R30B "Resistor" R_0603_1608 349.32,460.13 r180 top value=1k (schematic designator R30)
R30C "Resistor" R_0603_1608 925.35,315.5 r180 top value=1k (schematic designator R30)
R30D "Resistor" R_0603_1608 925.35,-421.5 r180 top value=1k (schematic designator R30)
R31A "Resistor" R_0603_1608 1061.61,-1327.5 r180 top value=1k (schematic designator R31)
R31B "Resistor" R_0603_1608 486.58,288.13 r180 top value=1k (schematic designator R31)
R31C "Resistor" R_0603_1608 1062.61,143.5 r180 top value=1k (schematic designator R31)
R31D "Resistor" R_0603_1608 1062.61,-593.5 r180 top value=1k (schematic designator R31)
R32A "Resistor" R_0603_1608 924.35,-1087.5 r180 top value=1k (schematic designator R32)
R32B "Resistor" R_0603_1608 349.32,528.13 r180 top value=1k (schematic designator R32)
R32C "Resistor" R_0603_1608 925.35,383.5 r180 top value=1k (schematic designator R32)
R32D "Resistor" R_0603_1608 925.35,-353.5 r180 top value=1k (schematic designator R32)
R33A "Resistor" R_0603_1608 1189.57,-1327.5 r0 top value=1k (schematic designator R33)
R33B "Resistor" R_0603_1608 614.54,288.13 r0 top value=1k (schematic designator R33)
R33C "Resistor" R_0603_1608 1190.57,143.5 r0 top value=1k (schematic designator R33)
R33D "Resistor" R_0603_1608 1190.57,-593.5 r0 top value=1k (schematic designator R33)
R34A "Resistor" R_0603_1608 924.35,-951.5 r180 top value=1k (schematic designator R34)
R34B "Resistor" R_0603_1608 349.32,664.13 r180 top value=1k (schematic designator R34)
R34C "Resistor" R_0603_1608 925.35,519.5 r180 top value=1k (schematic designator R34)
R34D "Resistor" R_0603_1608 925.35,-217.5 r180 top value=1k (schematic designator R34)
R35A "Resistor" R_0603_1608 1215.16,-973.5 r0 top value=1k (schematic designator R35)
R35B "Resistor" R_0603_1608 640.13,642.13 r0 top value=1k (schematic designator R35)
R35C "Resistor" R_0603_1608 1216.16,497.5 r0 top value=1k (schematic designator R35)
R35D "Resistor" R_0603_1608 1216.16,-239.5 r0 top value=1k (schematic designator R35)
R36A "Resistor" R_0603_1608 791.94,-1186 r90 top value=1.5k (schematic designator R36)
R36B "Resistor" R_0603_1608 349.32,392.13 r180 top value=1.5k (schematic designator R36)
R36C "Resistor" R_0603_1608 925.35,247.5 r180 top value=1.5k (schematic designator R36)
R36D "Resistor" R_0603_1608 925.35,-489.5 r180 top value=1.5k (schematic designator R36)
R37A "Resistor" R_0603_1608 924.35,-1019.5 r180 top value=1.5k (schematic designator R37)
R37B "Resistor" R_0603_1608 349.32,596.13 r180 top value=1.5k (schematic designator R37)
R37C "Resistor" R_0603_1608 925.35,451.5 r180 top value=1.5k (schematic designator R37)
R37D "Resistor" R_0603_1608 925.35,-285.5 r180 top value=1.5k (schematic designator R37)
R38A "Resistor" R_0603_1608 924.35,-883.5 r180 top value=1.5k (schematic designator R38)
R38B "Resistor" R_0603_1608 349.32,732.13 r180 top value=1.5k (schematic designator R38)
R38C "Resistor" R_0603_1608 925.35,587.5 r180 top value=1.5k (schematic designator R38)
R38D "Resistor" R_0603_1608 925.35,-149.5 r180 top value=1.5k (schematic designator R38)
R39A "Resistor" R_0603_1608 1420.39,-833.5 r270 top value=0R (schematic designator R39)
R39B "Resistor" R_0603_1608 1421.35,1372.13 r270 top value=0R (schematic designator R39)
R39C "Resistor" R_0603_1608 1421.39,637.5 r270 top value=0R (schematic designator R39)
R39D "Resistor" R_0603_1608 1421.39,-99.5 r270 top value=0R (schematic designator R39)
R40A "Resistor" R_0603_1608 1498.39,-833.5 r90 top value=0R (schematic designator R40)
R40B "Resistor" R_0603_1608 1337.94,1342 r180 top value=0R (schematic designator R40)
R40C "Resistor" R_0603_1608 1499.39,637.5 r90 top value=0R (schematic designator R40)
R40D "Resistor" R_0603_1608 1499.39,-99.5 r90 top value=0R (schematic designator R40)
R41A "Resistor" R_NC_0603_1608 1055.91,1269.18 r0 top value=NC (schematic designator R41)
R41B "Resistor" R_NC_0603_1608 261.91,1269.18 r0 top value=NC (schematic designator R41)
R42A "Resistor" R_0603_1608 1201.94,1148 r270 top value=0R (schematic designator R42)
R42B "Resistor" R_0603_1608 281.91,883.18 r0 top value=0R (schematic designator R42)
R43A "Resistor" R_0603_1608 769.94,1676 r180 top value=0R (schematic designator R43)
R43B "Resistor" R_0603_1608 -22.06,1688 r180 top value=0R (schematic designator R43)
R44A "Resistor" R_0603_1608 657.91,1705.18 r180 top value=0R (schematic designator R44)
R44B "Resistor" R_0603_1608 -136.09,1705.18 r180 top value=0R (schematic designator R44)
R45A "Resistor" R_0603_1608 521.94,946 r0 top value=0R (schematic designator R45)
R45B "Resistor" R_0603_1608 -128.09,883.18 r180 top value=0R (schematic designator R45)
R46A "Resistor" R_NC_0603_1608 691.91,1269.18 r0 top value=NC (schematic designator R46)
R46B "Resistor" R_NC_0603_1608 -102.09,1269.18 r0 top value=NC (schematic designator R46)
R47A "Resistor" R_0603_1608 -275.81,-246 r270 top value=0R (schematic designator R47)
R47B "Resistor" R_0603_1608 -344.06,-1036 r270 top value=0R (schematic designator R47)
R48A "Resistor" R_0603_1608 -343.81,-246 r90 top value=0R (schematic designator R48)
R48B "Resistor" R_0603_1608 -276.06,-1036 r90 top value=0R (schematic designator R48)
R49A "Resistor" R_0603_1608 344.19,26.46 r270 top value=10k (schematic designator R49)
R49B "Resistor" R_0603_1608 343.94,-763.54 r270 top value=10k (schematic designator R49)
R50A "Resistor" R_0603_1608 4.19,132 r0 top value=330R (schematic designator R50)
R50B "Resistor" R_0603_1608 3.94,-658 r0 top value=330R (schematic designator R50)
R51A "Resistor" R_0603_1608 343.97,-183.54 r270 top value=10k (schematic designator R51)
R51B "Resistor" R_0603_1608 343.72,-973.54 r270 top value=10k (schematic designator R51)
R52A "Resistor" R_0603_1608 3.97,-78 r0 top value=330R (schematic designator R52)
R52B "Resistor" R_0603_1608 3.72,-868 r0 top value=330R (schematic designator R52)
R53A "Resistor" R_0603_1608 343.97,-390 r270 top value=10k (schematic designator R53)
R53B "Resistor" R_0603_1608 343.72,-1180 r270 top value=10k (schematic designator R53)
R54A "Resistor" R_0603_1608 3.97,-288 r0 top value=330R (schematic designator R54)
R54B "Resistor" R_0603_1608 3.72,-1078 r0 top value=330R (schematic designator R54)
R55 "Resistor" R_0603_1608 -1494.06,512 r90 top value=0R
R56 "Resistor" R_0603_1608 -1576.06,512 r270 top value=0R
R57 "Resistor" R_0603_1608 -944.06,628 r180 top value=0R
R58 "Resistor" R_0603_1608 -1032.06,656 r90 top value=0R
R59 "Resistor" R_0603_1608 -640.06,1271.27 r0 top value=0R
R60 "Resistor" R_0603_1608 -640.06,1133.48 r0 top value=0R
R62 "Resistor" R_0603_1608 -722.06,824 r0 top value=0R
R63 "Resistor" R_0603_1608 -722.06,908 r180 top value=0R
U1A "NCS20072DR2G" FP-751-07-MFG -2274.31,-1130.82 r0 top (schematic designator U1)
U1B "NCS20072DR2G" FP-751-07-MFG -3240.28,307.18 r0 top (schematic designator U1)
U1C "NCS20072DR2G" FP-751-07-MFG -3240.28,-1130.82 r0 top (schematic designator U1)
U1D "NCS20072DR2G" FP-751-07-MFG -2274.31,307.18 r0 top (schematic designator U1)
U2A "NCS20072DR2G" FP-751-07-MFG -2311.29,-546.57 r270 top (schematic designator U2)
U2B "NCS20072DR2G" FP-751-07-MFG -3277.26,891.43 r270 top (schematic designator U2)
U2C "NCS20072DR2G" FP-751-07-MFG -3277.26,-546.57 r270 top (schematic designator U2)
U2D "NCS20072DR2G" FP-751-07-MFG -2311.29,891.43 r270 top (schematic designator U2)
U3A "AM26LS32ACPWRE4" PW16_L 1138.39,-1149.5 r90 top (schematic designator U3)
U3B "AM26LS32ACPWRE4" PW16_L 563.35,466.13 r90 top (schematic designator U3)
U3C "AM26LS32ACPWRE4" PW16_L 1139.39,321.5 r90 top (schematic designator U3)
U3D "AM26LS32ACPWRE4" PW16_L 1139.39,-415.5 r90 top (schematic designator U3)
U4A "Transceiver" SOP8_SO8_SOIC8_4X5X18 1055.91,1073.18 r90 top value=SN65HVD1782D (schematic designator U4)
U4B "Transceiver" SOP8_SO8_SOIC8_4X5X18 261.91,1073.18 r90 top value=SN65HVD1782D (schematic designator U4)
U5A "Transceiver" SOP8_SO8_SOIC8_4X5X18 691.91,1073.18 r90 top value=SN65HVD1782D (schematic designator U5)
U5B "Transceiver" SOP8_SO8_SOIC8_4X5X18 -102.09,1073.18 r90 top value=SN65HVD1782D (schematic designator U5)
U6 "ULN2803CDWR" FP-DW0020A-MFG -1538.06,1050 r0 top
U7 "LD1117AS33TR" SOT223_SC73 -262.05,421.45 r90 top

## Footprints (in the part's own frame and the unit in brackets; to place one, negate y for a bottom-side part, rotate by r counter-clockwise, add the part's x,y. Pads: shape width x height; smd on the part's side, far side on the other; paste and mask are expansions set on the pad)
C_0603_1608 [mm]
  rect 0.75x0.8 smd: 1(-0.725,0) 2(0.725,0)
  silkscreen extent 0,-0.38 0,0.38, body extent -0.85,-0.45 0.85,0.45, height 0.89
C_1206_3216 [mm] "Chip Capacitor, 2-Leads, Body 3.20x1.60mm, IPC Medium Density"
  rect 1.65x1.9 smd: 1(-1.275,0) 2(1.275,0)
  body extent -1.68,-0.87 1.68,0.87, height 1.25
C_1210_3225 [mil]
  rect 54x120 smd: 1(-60,0) 2(60,0)
  silkscreen extent -20,-55 20,55, body extent -72,-55 70,55, height 86
CE_D_10x10_SMD [mm]
  rect 4.2x1.5 smd: 1(-4.262,0) 2(4.262,0)
  silkscreen extent -6.13,-5 5.75,5, body extent -5.8,-5.15 5.8,5.15, height 10.21
FP-751-07-MFG [mil]
  rect 60x24 smd paste+0 mask+0: 1(-107.5,75) 2(-107.5,25) 3(-107.5,-25) 4(-107.5,-75) 5(107.5,-75) 6(107.5,-25) 7(107.5,25) 8(107.5,75)
  silkscreen extent -63,-98 63,98, body extent -118,-96 118,96, height 69
FP-DW0020A-MFG [mm]
  rrect17% 2x0.6 smd paste+0 mask+0: 1(-4.65,5.715) 2(-4.65,4.445) 3(-4.65,3.175) 4(-4.65,1.905) 5(-4.65,0.635) 6(-4.65,-0.635) 7(-4.65,-1.905) 8(-4.65,-3.175) 9(-4.65,-4.445) 10(-4.65,-5.715) 11(4.65,-5.715) 12(4.65,-4.445) 13(4.65,-3.175) 14(4.65,-1.905) 15(4.65,-0.635) 16(4.65,0.635) 17(4.65,1.905) 18(4.65,3.175) 19(4.65,4.445) 20(4.65,5.715)
  silkscreen extent -3.27,-6.5 3.27,6.5, body extent -5.16,-6.4 5.16,6.4, height 2.65
FP-TCMT1106-MFG [mm]
  rect 1.3x0.9 smd paste+0 mask+0: 1(-3.15,0.635) 2(-3.15,-0.635) 3(3.15,-0.635) 4(3.15,0.635)
  silkscreen extent -4.47,-1.43 2.2,1.43, body extent -3.5,-1.42 3.5,1.43, height 2.3
J_HEADER_2x25_2.54_VERTICAL [mm] "Connector; Header; 50 Position; Female"
  rect 1.5x1.5 hole 0.9: 1(-30.48,1.27)
  round 1.5 hole 0.9: 2(-30.48,-1.27) 3(-27.94,1.27) 4(-27.94,-1.27) 5(-25.4,1.27) 6(-25.4,-1.27) 7(-22.86,1.27) 8(-22.86,-1.27) 9(-20.32,1.27) 10(-20.32,-1.27) 11(-17.78,1.27) 12(-17.78,-1.27) 13(-15.24,1.27) 14(-15.24,-1.27) 15(-12.7,1.27) 16(-12.7,-1.27) 17(-10.16,1.27) 18(-10.16,-1.27) 19(-7.62,1.27) 20(-7.62,-1.27) 21(-5.08,1.27) 22(-5.08,-1.27) 23(-2.54,1.27) 24(-2.54,-1.27) 25(0,1.27) 26(0,-1.27) 27(2.54,1.27) 28(2.54,-1.27) 29(5.08,1.27) 30(5.08,-1.27) 31(7.62,1.27) 32(7.62,-1.27) 33(10.16,1.27) 34(10.16,-1.27) 35(12.7,1.27) 36(12.7,-1.27) 37(15.24,1.27) 38(15.24,-1.27) 39(17.78,1.27) 40(17.78,-1.27) 41(20.32,1.27) 42(20.32,-1.27) 43(22.86,1.27) 44(22.86,-1.27) 45(25.4,1.27) 46(25.4,-1.27) 47(27.94,1.27) 48(27.94,-1.27) 49(30.48,1.27) 50(30.48,-1.27)
  silkscreen extent -31.75,-2.54 31.75,2.54, body extent -31.75,-2.52 31.75,2.52, height 8.4
J_RJ45_MJ3225-88-0 [mm]
  oval 1.4x1.5 hole 0.9: 1(3.57,1.15) 2(2.55,3.69) 3(1.53,1.15) 4(0.51,3.69) 5(-0.51,1.15) 6(-1.53,3.69) 7(-2.55,1.15) 8(-3.57,3.69)
  round 2.36 hole 2.36 unplated: DNC(-7.5,-1.15) DNC(7.5,-1.15)
  silkscreen extent -7.5,-6.45 7.5,5.7, body extent -8.75,-7.15 8.75,5.7, height 14.5
MOD_BUCK_MP1584 [mm] "Normal"
  round 2 hole 1.2: 1(-9.525,-6.985) 2(-9.525,-4.445) 3(-9.525,4.445) 4(-9.525,6.985) 5(9.525,-6.985) 6(9.525,-4.445) 7(9.525,4.445) 8(9.525,6.985)
  body extent -11.25,-8.65 11.25,8.65, height 6.69
P_15EDGVC-3.5-04P-14 [mm] "Connector; Terminal Block; 4 Position; Male; 3.5mm"
  rect 2.2x2 hole 1.4: 1(0,0)
  oval 2.2x2 hole 1.4: 2(3.5,0) 3(7,0) 4(10.5,0)
  silkscreen extent -2.15,-3.4 12.65,3.6, body extent -2.14,-3.4 12.64,3.6, height 9.3
P_15EDGVC-3.5-05P [mm] "Connector; Terminal Block; 5 Position; Male; 3.5mm"
  rect 2.2x2 hole 1.4: 1(0,0)
  oval 2.2x2 hole 1.4: 2(3.5,0) 3(7,0) 4(10.5,0) 5(14,0)
  silkscreen extent -2.15,-3 16.15,4, body extent -2.15,-3 16.15,4, height 9.3
P_15EDGVC-3.5-07P [mm] "Connector; Terminal Block; 7 Position; Male; 3.5mm"
  rect 2.2x2 hole 1.4: 1(0,0)
  oval 2.2x2 hole 1.4: 2(3.5,0) 3(7,0) 4(10.5,0) 5(14,0) 6(17.5,0) 7(21,0)
  silkscreen extent -2.15,-3 23.15,4, body extent -2.15,-3 23.15,4, height 9.3
P_15EDGVC-3.5-09P [mm] "Connector; Terminal Block; 9 Position; Male; 3.5mm"
  rect 2.2x2 hole 1.4: 1(0,0)
  oval 2.2x2 hole 1.4: 2(3.5,0) 3(7,0) 4(10.5,0) 5(14,0) 6(17.5,0) 7(21,0) 8(24.5,0) 9(28,0)
  silkscreen extent -2.15,-3 30.15,4, body extent -2.15,-3 30.15,4, height 9.3
P_KLDX-0202-A [mm] "Connector; DC JACK"
  rrect50% 1.3x4 hole 0.8 slot 3.5 at 90 deg: 1(-6.2,0)
  rrect50% 1.3x3.5 hole 0.8 slot 3 at 90 deg: 2(0,0)
  rrect50% 3.5x1.3 hole 0.8 slot 3 at 0 deg: 3(-3,4.7)
  silkscreen extent -6.8,-4.5 7.15,4.5, body extent -6.8,-4.5 7.7,4.9, height 10.8